# KiCad board rioctrl-controller.kicad_pcb
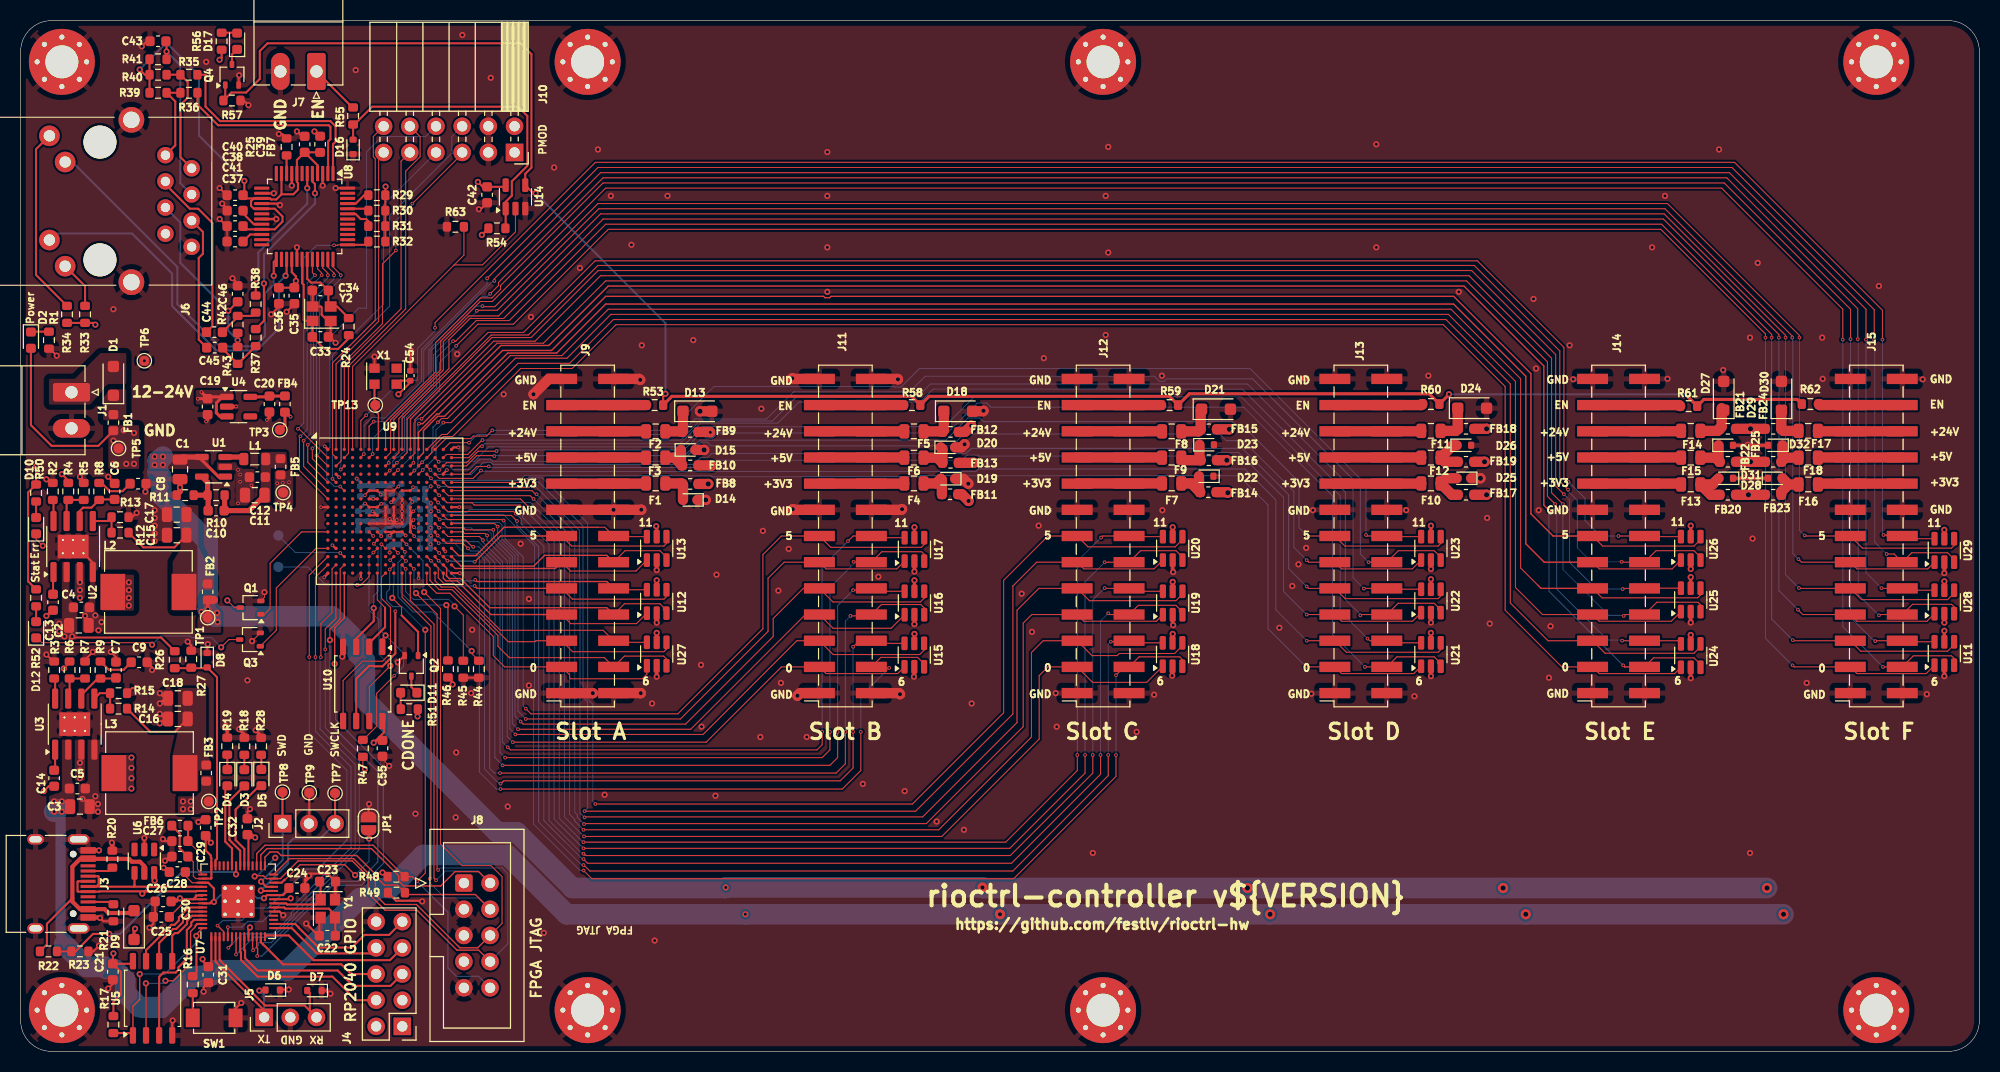
[diagram p0: board, top side]
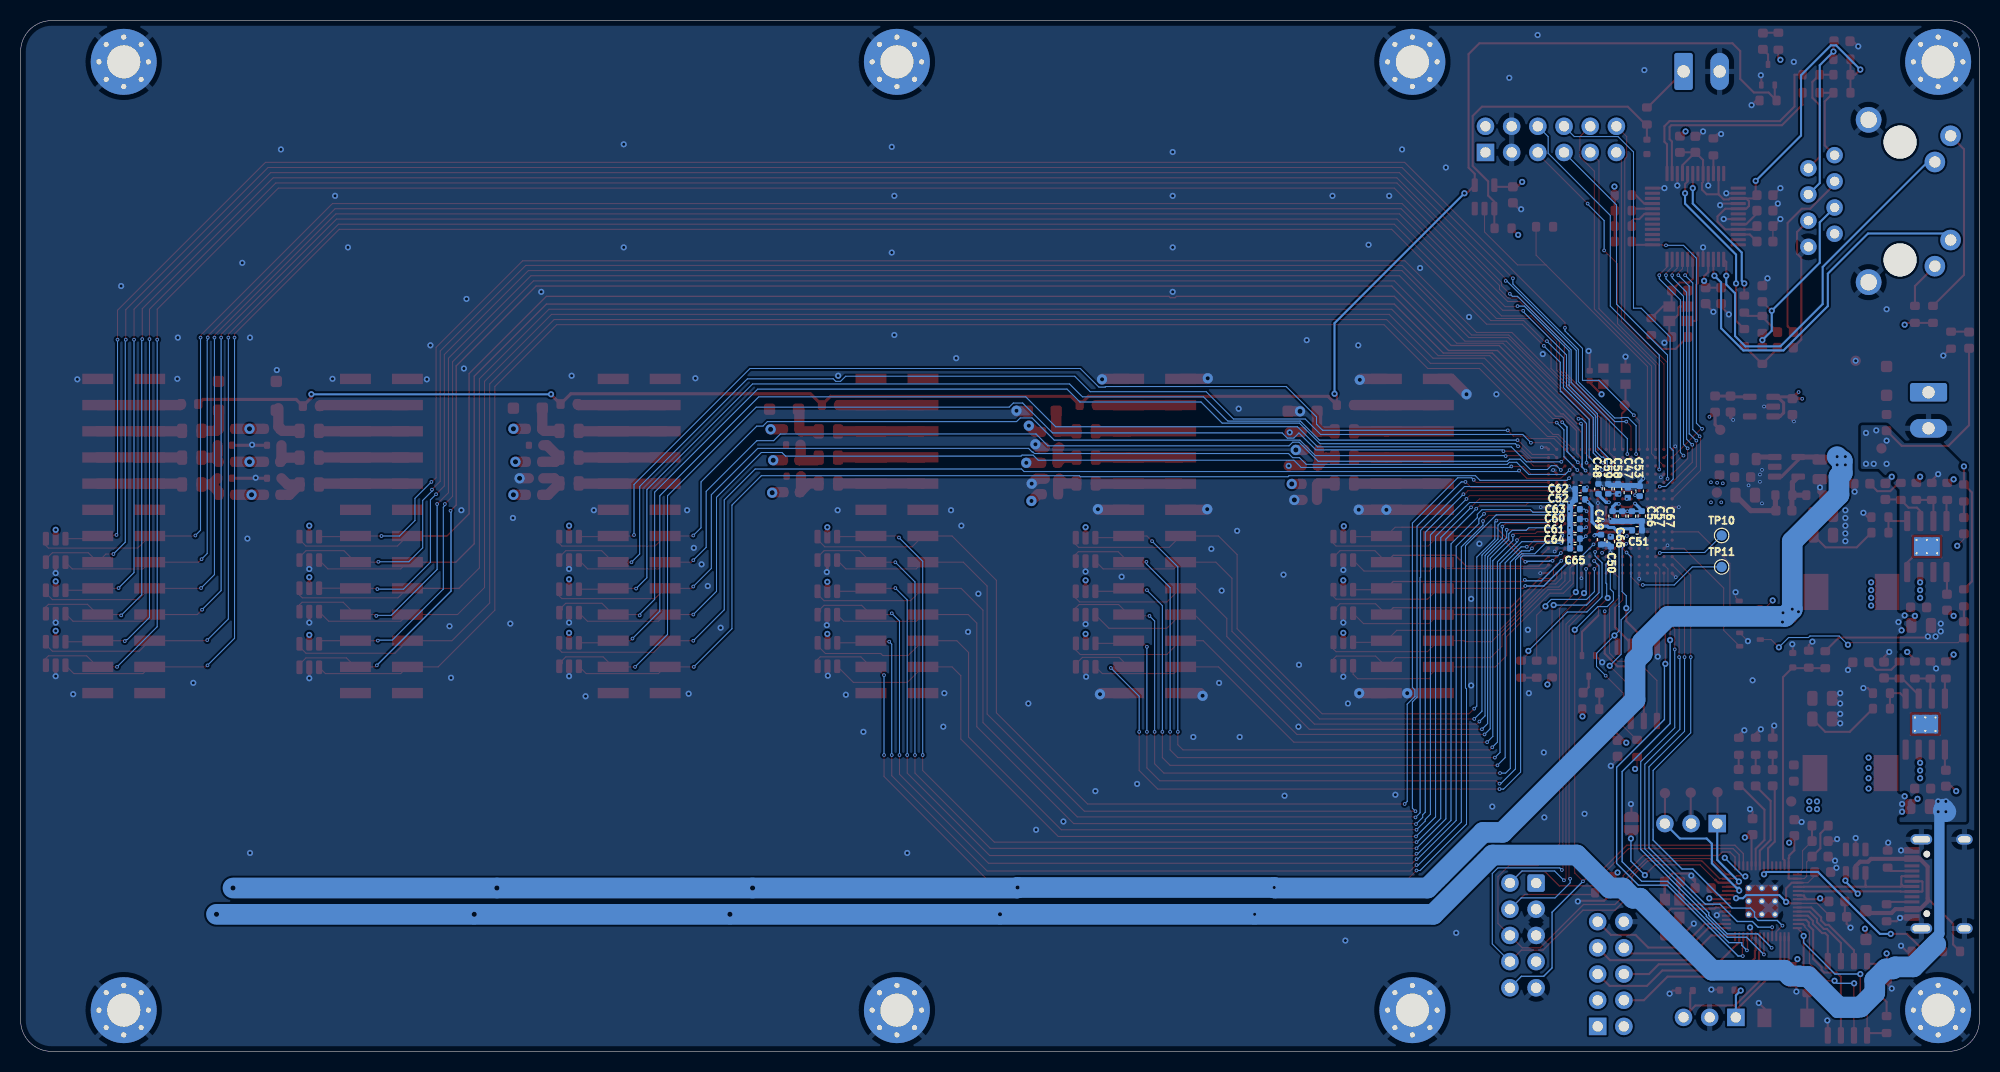
[diagram p1: board, bottom side, seen from below]

Outline 190 x 100 mm; copper layers: Top, In1.Cu, In2.Cu, Bottom. Coordinates in mm from the lower left corner of the outline.
Outline path: 0,97 arc(0.88,99.12) 3,100 187,100 arc(189.12,99.12) 190,97 190,3 arc(189.12,0.88) 187,0 3,0 arc(0.88,0.88) 0,3 0,97
Stack: Top 0.035mm / dielectric 0.1mm FR4 er 4.5 / In1.Cu 0.035mm / dielectric 1.24mm FR4 er 4.5 / In2.Cu 0.035mm / dielectric 0.1mm FR4 er 4.5 / Bottom 0.035mm

## Placement (name value [footprint] x y rotation side)
C1  10uF  [C_0805_2012Metric]  15.46 56.46 270 top
C2  10uF  [C_0805_2012Metric]  5.65 41.33 0 top
C3  10uF  [C_0805_2012Metric]  5.75 23.75 0 top
C4  0.1uF  [C_0603_1608Metric]  5.9 43.08 0 top
C5  0.1uF  [C_0603_1608Metric]  5.5 25.5 0 top
C6  120pF  [C_0603_1608Metric]  9.12 54.33 90 top
C7  120pF  [C_0603_1608Metric]  9.25 37 90 top
C8  0.012uF  [C_0603_1608Metric]  11.39 55.08 0 top
C9  0.012uF  [C_0603_1608Metric]  11.5 37.75 0 top
C10  DNP  [C_0603_1608Metric]  18.96 52.46 180 top  (not fitted)
C11  10uF/35V  [C_0805_2012Metric]  22.71 53.96 180 top
C12  0.1uF  [C_0603_1608Metric]  22.96 55.71 180 top
C13  0.1uF  [C_0603_1608Metric]  3.15 43.58 270 top
C14  0.1uF  [C_0603_1608Metric]  3.25 26.5 270 top
C15  47uF  [C_0805_2012Metric]  15.14 50.08 180 top
C16  47uF  [C_0805_2012Metric]  15.25 32.25 180 top
C17  47uF  [C_0805_2012Metric]  15.14 52.08 180 top
C18  47uF  [C_0805_2012Metric]  15.25 34.25 180 top
C19  1uF  [C_0603_1608Metric]  18.14 62.55 90 top
C20  1uF  [C_0603_1608Metric]  24.14 62.8 90 top
C21  0.1uF  [C_0603_1608Metric]  8.95 7.72 270 top
C22  10pF  [C_0603_1608Metric]  29.75 11.22 0 top
C23  10pF  [C_0603_1608Metric]  29.78 16.47 180 top
C24  0.1uF  [C_0603_1608Metric]  26.8 15.85 0 top
C25  0.1uF  [C_0603_1608Metric]  13.65 13.05 180 top
C26  1uF  [C_0603_1608Metric]  15.2 17.4 180 top
C27  0.1uF  [C_0603_1608Metric]  15.45 20.4 180 top
C28  0.1uF  [C_0603_1608Metric]  15.45 18.9 180 top
C29  0.1uF  [C_0603_1608Metric]  17.95 21.7 90 top
C30  0.1uF  [C_0603_1608Metric]  13.83 14.55 180 top
C31  0.1uF  [C_0603_1608Metric]  18.2 7.45 270 top
C32  0.1uF  [C_0603_1608Metric]  22 21.8 90 top
C33  18pF  [C_0603_1608Metric]  29.08 69.31 180 top
C34  18pF  [C_0603_1608Metric]  29.08 73.81 180 top
C35  10uF/6.3V  [C_0603_1608Metric]  26.55 73.31 270 top
C36  0.1uF  [C_0603_1608Metric]  25.05 73.31 270 top
C37  10nF  [C_0603_1608Metric]  20.8 78.56 180 top
C38  4.7uF  [C_0603_1608Metric]  20.8 81.56 180 top
C39  10uF/6.3V  [C_0603_1608Metric]  27.55 88 90 top
C40  0.1uF  [C_0603_1608Metric]  20.8 83.06 180 top
C41  0.1uF  [C_0603_1608Metric]  20.8 80.06 180 top
C42  0.1uF  [C_0603_1608Metric]  45.25 83.1 90 top
C43  22nF  [C_0603_1608Metric]  13.33 98 180 top
C44  6.8nF  [C_0603_1608Metric]  18.8 69.78 180 top
C45  6.8nF  [C_0603_1608Metric]  18.83 68.28 180 top
C46  10nF  [C_0603_1608Metric]  21.05 73.5 90 top
C47  0.1uF  [C_0402_1005Metric]  34.1 54.2 90 bottom
C48  0.1uF  [C_0402_1005Metric]  36.95 54.57 90 bottom
C49  0.1uF  [C_0402_1005Metric]  36.7 49.65 270 bottom
C50  0.1uF  [C_0402_1005Metric]  35.75 49.45 270 bottom
C51  0.1uF  [C_0402_1005Metric]  33.2 50.55 180 bottom
C52  0.1uF  [C_0402_1005Metric]  38.73 53.55 0 bottom
C53  0.1uF  [C_0402_1005Metric]  32.95 54.35 90 bottom
C54  0.1uF  [C_0402_1005Metric]  37.8 65.55 90 top
C55  0.1uF  [C_0603_1608Metric]  35.1 29.4 270 top
C56  0.1uF  [C_0402_1005Metric]  34.65 51.92 270 bottom
C57  0.1uF  [C_0402_1005Metric]  33.7 51.92 270 bottom
C58  0.1uF  [C_0402_1005Metric]  35.05 54.57 90 bottom
C59  0.1uF  [C_0402_1005Metric]  36 54.57 90 bottom
C60  0.1uF  [C_0402_1005Metric]  39.23 51.65 0 bottom
C61  0.1uF  [C_0402_1005Metric]  39.22 50.7 0 bottom
C62  0.1uF  [C_0402_1005Metric]  38.73 54.55 0 bottom
C63  0.1uF  [C_0402_1005Metric]  39.23 52.6 0 bottom
C64  0.1uF  [C_0402_1005Metric]  39.23 49.75 0 bottom
C65  0.1uF  [C_0402_1005Metric]  39.23 48.8 0 bottom
C66  0.1uF  [C_0402_1005Metric]  35.58 51.93 270 bottom
C67  0.1uF  [C_0402_1005Metric]  32.75 51.93 270 bottom
D1  DSS34  [D_SOD-123F]  9 65.05 90 top
D2  LED_RED  [LED_0603_1608Metric]  1 69 270 top
D3  LED_GREEN  [LED_0603_1608Metric]  21.7 26.54 270 top
D4  LED_RED  [LED_0603_1608Metric]  20.05 26.55 270 top
D5  LED_BLUE  [LED_0603_1608Metric]  23.35 26.56 270 top
D6  BSD5C031V  [D_SOD-523]  24.45 5.95 180 top
D7  BSD5C031V  [D_SOD-523]  28.5 5.9 180 top
D8  BSD5C031V  [D_SOD-523]  18.1 37.95 270 top
D9  DSS34  [D_SOD-123F]  11 12.25 90 top  (not fitted)
D10  LED_RED  [LED_0603_1608Metric]  1.5 51 90 top
D11  LED_GREEN  [LED_0603_1608Metric]  37.65 34.8 180 top
D12  LED_GREEN  [LED_0603_1608Metric]  1.5 40.9 90 top
D13  SMF24A  [D_SOD-123F]  65.65 62.1 0 top
D14  BSD5C031V  [D_SOD-523]  64.95 53.5 180 top
D15  PESD5V0S1BBN  [D_SOD-523]  64.75 58.35 0 top
D16  PESD5V0S1BBN  [D_SOD-523]  32.25 87.75 90 top
D17  LED_RED  [LED_0603_1608Metric]  21 98 90 top
D18  SMF24A  [D_SOD-123F]  90.95 62.1 0 top
D19  BSD5C031V  [D_SOD-523]  89.95 55.55 180 top
D20  PESD5V0S1BBN  [D_SOD-523]  89.95 58.6 0 top
D21  SMF24A  [D_SOD-123F]  115.95 62.3 0 top
D22  BSD5C031V  [D_SOD-523]  115 55.8 180 top
D23  PESD5V0S1BBN  [D_SOD-523]  115.05 58.85 0 top
D24  SMF24A  [D_SOD-123F]  140.8 62.4 0 top
D25  BSD5C031V  [D_SOD-523]  140 55.6 180 top
D26  PESD5V0S1BBN  [D_SOD-523]  140 58.8 0 top
D27  SMF24A  [D_SOD-123F]  165.2 63.6 90 top
D28  BSD5C031V  [D_SOD-523]  165.4 55.6 180 top
D29  PESD5V0S1BBN  [D_SOD-523]  165.4 58.8 0 top
D30  SMF24A  [D_SOD-123F]  170.8 63.6 90 top
D31  BSD5C031V  [D_SOD-523]  170.2 55.6 0 top
D32  PESD5V0S1BBN  [D_SOD-523]  170.2 58.8 180 top
F1  SMD0805B050TF  [Fuse_0805_2012Metric]  61.6 55.1 180 top
F2  SMD0805B050TF  [Fuse_0805_2012Metric]  61.6 60.15 180 top
F3  SMD0805B050TF  [Fuse_0805_2012Metric]  61.6 57.6 0 top
F4  SMD0805B050TF  [Fuse_0805_2012Metric]  86.65 55.1 180 top
F5  SMD0805B050TF  [Fuse_0805_2012Metric]  86.65 60.15 180 top
F6  SMD0805B050TF  [Fuse_0805_2012Metric]  86.65 57.6 0 top
F7  SMD0805B050TF  [Fuse_0805_2012Metric]  111.65 55.1 180 top
F8  SMD0805B050TF  [Fuse_0805_2012Metric]  111.65 60.15 180 top
F9  SMD0805B050TF  [Fuse_0805_2012Metric]  111.65 57.6 0 top
F10  SMD0805B050TF  [Fuse_0805_2012Metric]  136.8 55.1 180 top
F11  SMD0805B050TF  [Fuse_0805_2012Metric]  136.8 60.2 180 top
F12  SMD0805B050TF  [Fuse_0805_2012Metric]  136.8 57.6 0 top
F13  SMD0805B050TF  [Fuse_0805_2012Metric]  162 55 180 top
F14  SMD0805B050TF  [Fuse_0805_2012Metric]  162 60.2 180 top
F15  SMD0805B050TF  [Fuse_0805_2012Metric]  162 57.6 0 top
F16  SMD0805B050TF  [Fuse_0805_2012Metric]  173.4 55 0 top
F17  SMD0805B050TF  [Fuse_0805_2012Metric]  173.4 60.2 0 top
F18  SMD0805B050TF  [Fuse_0805_2012Metric]  173.4 57.6 180 top
FB1  FB_100R_3A  [L_0603_1608Metric]  9 61 270 top
FB2  FB_100R_3A  [L_0603_1608Metric]  18.14 44.58 270 top
FB3  FB_100R_3A  [L_0603_1608Metric]  18 27 270 top
FB4  FB_100R_3A  [L_0603_1608Metric]  25.64 62.8 270 top
FB5  FB_100R_3A  [L_0603_1608Metric]  25.21 56.71 270 top
FB6  FB_100R_3A  [L_0603_1608Metric]  15.45 21.9 0 top
FB7  FB_100R_3A  [L_0603_1608Metric]  29.05 88 270 top
FB8  FB_100R_3A  [L_0603_1608Metric]  64.95 55.05 180 top
FB9  FB_100R_3A  [L_0603_1608Metric]  64.95 60.1 180 top
FB10  FB_100R_3A  [L_0603_1608Metric]  64.95 56.85 0 top
FB11  FB_100R_3A  [L_0603_1608Metric]  90.15 54.05 180 top
FB12  FB_100R_3A  [L_0603_1608Metric]  90.2 60.1 180 top
FB13  FB_100R_3A  [L_0603_1608Metric]  90.2 57.1 0 top
FB14  FB_100R_3A  [L_0603_1608Metric]  115.2 54.25 180 top
FB15  FB_100R_3A  [L_0603_1608Metric]  115.25 60.35 180 top
FB16  FB_100R_3A  [L_0603_1608Metric]  115.25 57.35 0 top
FB17  FB_100R_3A  [L_0603_1608Metric]  140.2 54 180 top
FB18  FB_100R_3A  [L_0603_1608Metric]  140.2 60.4 180 top
FB19  FB_100R_3A  [L_0603_1608Metric]  140.2 57.2 0 top
FB20  FB_100R_3A  [L_0603_1608Metric]  165.6 54 180 top
FB21  FB_100R_3A  [L_0603_1608Metric]  165.6 60.4 180 top
FB22  FB_100R_3A  [L_0603_1608Metric]  165.6 57.2 0 top
FB23  FB_100R_3A  [L_0603_1608Metric]  170 54 0 top
FB24  FB_100R_3A  [L_0603_1608Metric]  170 60.4 0 top
FB25  FB_100R_3A  [L_0603_1608Metric]  170 57.2 180 top
H1  MH_3.2mm  [MountingHole_3.2mm_M3_Pad_Via]  4 4 90 top  (not fitted)
H2  MH_3.2mm  [MountingHole_3.2mm_M3_Pad_Via]  55 4 90 top  (not fitted)
H3  MH_3.2mm  [MountingHole_3.2mm_M3_Pad_Via]  4 96 90 top  (not fitted)
H4  MH_3.2mm  [MountingHole_3.2mm_M3_Pad_Via]  55 96 90 top  (not fitted)
H5  MH_3.2mm  [MountingHole_3.2mm_M3_Pad_Via]  180 4 90 top  (not fitted)
H6  MH_3.2mm  [MountingHole_3.2mm_M3_Pad_Via]  180 96 90 top  (not fitted)
H7  MH_3.2mm  [MountingHole_3.2mm_M3_Pad_Via]  105 4 90 top  (not fitted)
H8  MH_3.2mm  [MountingHole_3.2mm_M3_Pad_Via]  105 96 90 top  (not fitted)
J1  TERM-BLK-2H  [PhoenixContact_MC_1,5_2-G-3.5_1x02_P3.50mm_Horizontal]  4.93 63.94 270 top
J2  PIN_HEADER_3V  [PinHeader_1x03_P2.54mm_Vertical]  25.42 22.1 90 top
J3  TYPE-C-31-M-12  [USB_C_Receptacle_HRO_TYPE-C-31-M-12]  2.5 16.25 270 top
J4  Conn_02x05_Odd_Even  [PinHeader_2x05_P2.54mm_Vertical]  37.03 2.43 180 top  (not fitted)
J5  PIN_HEADER_3V  [PinHeader_1x03_P2.54mm_Vertical]  23.62 3.3 90 top
J6  RJ45_Pulse_J0011D21BNL  [RJ45_J0011D21BNL]  14.05 86.94 90 top
J7  TERM-BLK-2H  [PhoenixContact_MC_1,5_2-G-3.5_1x02_P3.50mm_Horizontal]  28.69 95.07 180 top
J8  Conn_02x05_PH  [IDC-Header_2x05_P2.54mm_Vertical]  43 16.33 0 top
J9  Conn_02x13_Odd_Even  [PinSocket_2x13_P2.54mm_Vertical_SMD]  55 50 180 top
J10  Conn_02x06_Odd_Even  [PinSocket_2x06_P2.54mm_Horizontal]  47.91 87.21 270 top
J11  Conn_02x13_Odd_Even  [PinSocket_2x13_P2.54mm_Vertical_SMD]  80 50 180 top
J12  Conn_02x13_Odd_Even  [PinSocket_2x13_P2.54mm_Vertical_SMD]  105 50 180 top
J13  Conn_02x13_Odd_Even  [PinSocket_2x13_P2.54mm_Vertical_SMD]  130 50 180 top
J14  Conn_02x13_Odd_Even  [PinSocket_2x13_P2.54mm_Vertical_SMD]  155 50 180 top
J15  Conn_02x13_Odd_Even  [PinSocket_2x13_P2.54mm_Vertical_SMD]  180 50 180 top
JP1  SolderJumper_2_Open  [SolderJumper-2_P1.3mm_Open_RoundedPad1.0x1.5mm]  33.75 22.1 270 top  (not fitted)
L1  MLP2012S4R7MT0S1  [L_0805_2012Metric]  22.71 57.46 0 top
L2  PSPMAA0805-220M-ANP  [SMD_INDUCTOR_8x8.5x5mm]  12.39 44.58 0 top
L3  PSPMAA0805-220M-ANP  [SMD_INDUCTOR_8x8.5x5mm]  12.5 27 0 top
Q1  BSS138W  [SOT-323_SC-70]  22.3 43.05 180 top
Q2  BSS138W  [SOT-323_SC-70]  37.9 37.4 270 top
Q3  BSS138W  [SOT-323_SC-70]  22.25 39.95 180 top
Q4  BSS138W  [SOT-323_SC-70]  20.5 94.75 90 top
R1  10K  [R_0603_1608Metric]  2.75 69 270 top
R2  47K  [R_0603_1608Metric]  3.12 54.33 90 top
R3  47K  [R_0603_1608Metric]  3.25 37 90 top
R4  220K  [R_0603_1608Metric]  4.62 54.33 270 top
R5  47K  [R_0603_1608Metric]  6.12 54.33 90 top
R6  220K  [R_0603_1608Metric]  4.75 37 270 top
R7  47K  [R_0603_1608Metric]  6.25 37 90 top
R8  3.47K  [R_0603_1608Metric]  7.62 54.33 90 top
R9  3.47K  [R_0603_1608Metric]  7.75 37 90 top
R10  47K  [R_0603_1608Metric]  18.96 53.96 180 top
R11  56.2K  [R_0603_1608Metric]  15.96 53.96 180 top
R12  100K  [R_0603_1608Metric]  9.64 50.33 180 top
R13  19.1K  [R_0603_1608Metric]  9.64 51.83 0 top
R14  100K  [R_0603_1608Metric]  9.5 33.25 180 top
R15  32K  [R_0603_1608Metric]  9.5 34.75 0 top
R16  1K  [R_0603_1608Metric]  16.7 6.47 270 top
R17  10K  [R_0603_1608Metric]  9 2.6 90 top
R18  1K  [R_0603_1608Metric]  21.7 29.6 90 top
R19  1K  [R_0603_1608Metric]  20.04 29.61 90 top
R20  5.11K  [R_0603_1608Metric]  8.9 18.65 270 top
R21  5.11K  [R_0603_1608Metric]  9 13.45 270 top
R22  5.11K  [R_0603_1608Metric]  2.7 9.7 180 top
R23  10K  [R_0603_1608Metric]  5.75 9.7 0 top
R24  1M  [R_0603_1608Metric]  31.83 70.31 90 top
R25  12.4K  [R_0603_1608Metric]  25.8 87.75 90 top
R26  100K  [R_0603_1608Metric]  14.95 38 90 top
R27  10K  [R_0603_1608Metric]  16.55 38.05 90 top
R28  1K  [R_0603_1608Metric]  23.33 29.6 90 top
R29  10K  [R_0603_1608Metric]  34.55 83.06 180 top
R30  10K  [R_0603_1608Metric]  34.55 81.56 180 top
R31  10K  [R_0603_1608Metric]  34.55 80.06 180 top
R32  10K  [R_0603_1608Metric]  34.55 78.56 180 top
R33  330R  [R_0603_1608Metric]  6.25 71.5 270 top
R34  330R  [R_0603_1608Metric]  4.5 71.5 270 top
R35  0R  [R_0603_1608Metric]  16.33 94.75 180 top
R36  0R  [R_0603_1608Metric]  16.33 93 180 top
R37  0R  [R_0603_1608Metric]  22.8 69.25 270 top
R38  0R  [R_0603_1608Metric]  22.8 72.5 270 top
R39  49.9R  [R_0603_1608Metric]  13.33 93 0 top
R40  49.9R  [R_0603_1608Metric]  13.33 94.75 0 top
R41  10R  [R_0603_1608Metric]  13.33 96.25 0 top
R42  49.9R  [R_0603_1608Metric]  21.05 70.53 270 top
R43  49.9R  [R_0603_1608Metric]  21.05 67.53 90 top
R44  10K  [R_0603_1608Metric]  44.45 37.08 270 top
R45  10K  [R_0603_1608Metric]  42.94 37.08 270 top
R46  10K  [R_0603_1608Metric]  41.45 37.1 90 top
R47  10K  [R_0603_1608Metric]  33.2 29.4 270 top
R48  10K  [R_0603_1608Metric]  36.42 16.95 0 top
R49  10K  [R_0603_1608Metric]  36.45 15.4 180 top
R50  330R  [R_0603_1608Metric]  1.5 54.17 270 top
R51  330R  [R_0603_1608Metric]  37.7 33.2 180 top
R52  330R  [R_0603_1608Metric]  1.5 44 270 top
R53  100R  [R_0603_1608Metric]  61.5 62.7 180 top
R54  10K  [R_0603_1608Metric]  46.2 79.85 0 top
R55  1K  [R_0603_1608Metric]  32.25 90.75 270 top
R56  330R  [R_0603_1608Metric]  19.5 98 90 top
R57  4K7  [R_0603_1608Metric]  20.5 92.25 180 top
R58  100R  [R_0603_1608Metric]  86.45 62.7 180 top
R59  100R  [R_0603_1608Metric]  111.45 62.7 180 top
R60  100R  [R_0603_1608Metric]  136.8 62.8 180 top
R61  100R  [R_0603_1608Metric]  161.8 62.6 180 top
R62  100R  [R_0603_1608Metric]  173.6 62.8 0 top
R63  4K7  [R_0603_1608Metric]  42.17 80 0 top
SW1  SW_PUSH_SMALL  [SW_SPST_AR02016]  18.78 3.25 180 top
TP1  TP_1MM  [TestPoint_Pad_D1.0mm]  18.14 42.08 90 top  (not fitted)
TP2  TP_1MM  [TestPoint_Pad_D1.0mm]  18.25 24.25 90 top  (not fitted)
TP3  TP_1MM  [TestPoint_Pad_D1.0mm]  25.14 60.3 0 top  (not fitted)
TP4  TP_1MM  [TestPoint_Pad_D1.0mm]  25.46 54.21 180 top  (not fitted)
TP5  TP_1MM  [TestPoint_Pad_D1.0mm]  9.5 58.5 90 top  (not fitted)
TP6  TP_1MM  [TestPoint_Pad_D1.0mm]  12 67 90 top  (not fitted)
TP7  TP_1MM  [TestPoint_Pad_D1.0mm]  30.5 25.05 270 top  (not fitted)
TP8  TP_1MM  [TestPoint_Pad_D1.0mm]  25.4 25.15 270 top  (not fitted)
TP9  TP_1MM  [TestPoint_Pad_D1.0mm]  28 25.1 270 top  (not fitted)
TP10  TP_1MM  [TestPoint_Pad_D1.0mm]  25 50.05 180 bottom  (not fitted)
TP11  TP_1MM  [TestPoint_Pad_D1.0mm]  25 47 180 bottom  (not fitted)
TP13  TP_1MM  [TestPoint_Pad_D1.0mm]  34.4 62.7 0 top  (not fitted)
U1  TD6811  [SOT-23-5]  18.71 56.71 180 top
U2  TPS54335ADDAR  [SOIC-8-1EP_3.9x4.9mm_P1.27mm_EP2.29x3mm_ThermalVias]  5.09 48.97 90 top
U3  TPS54335ADDAR  [SOIC-8-1EP_3.9x4.9mm_P1.27mm_EP2.29x3mm_ThermalVias]  5.25 31.75 90 top
U4  NCP114ASN250T1G  [SOT-23-5]  21.14 62.55 0 top
U5  W25Q16JVSS  [SOIC-8_5.23x5.23mm_P1.27mm]  12.8 5.15 90 top
U6  USBLC6-4SC6  [SOT-23-6]  12 18.45 270 top
U7  RP2040  [RP2040-QFN-56]  21.1 14.56 90 top
U8  W5500  [LQFP-48_7x7mm_P0.5mm]  27.55 81 270 top
U9  ECP5U_45_CABGA256  [BGA-256_14.0x14.0mm_Layout16x16_P0.8mm_Ball0.45mm_Pad0.32mm_NSMD]  35.8 52.4 0 top
U10  W25Q16JVSS  [SOIC-8_5.23x5.23mm_P1.27mm]  33.19 35.65 270 top
U11  SRV05-4  [SOT-23-6]  186.6 38.6 90 top
U12  SRV05-4  [SOT-23-6]  61.7 43.65 90 top
U13  SRV05-4  [SOT-23-6]  61.7 48.8 90 top
U14  SN74LVC1G125DBV  [SOT-23-5]  48 82.9 90 top
U15  SRV05-4  [SOT-23-6]  86.69 38.45 90 top
U16  SRV05-4  [SOT-23-6]  86.7 43.5 90 top
U17  SRV05-4  [SOT-23-6]  86.7 48.7 90 top
U18  SRV05-4  [SOT-23-6]  111.74 38.5 90 top
U19  SRV05-4  [SOT-23-6]  111.75 43.5 90 top
U20  SRV05-4  [SOT-23-6]  111.75 48.8 90 top
U21  SRV05-4  [SOT-23-6]  136.8 38.5 90 top
U22  SRV05-4  [SOT-23-6]  136.8 43.7 90 top
U23  SRV05-4  [SOT-23-6]  136.8 48.8 90 top
U24  SRV05-4  [SOT-23-6]  162 38.4 90 top
U25  SRV05-4  [SOT-23-6]  162 43.8 90 top
U26  SRV05-4  [SOT-23-6]  162 48.8 90 top
U27  SRV05-4  [SOT-23-6]  61.7 38.55 90 top
U28  SRV05-4  [SOT-23-6]  186.6 43.6 90 top
U29  SRV05-4  [SOT-23-6]  186.6 48.6 90 top
X1  OSC_25MHz  [Oscillator_SMD_EuroQuartz_XO32-4Pin_3.2x2.5mm]  35.4 65.5 270 top
Y1  Crystal_12MHz  [Crystal_SMD_2520-4Pin_2.5x2.0mm]  29.8 13.85 270 top
Y2  Crystal_25MHz  [Crystal_SMD_2520-4Pin_2.5x2.0mm]  29.2 71.56 0 top

## Library data of the parts
C1 C11 = -: Description: Unpolarized capacitor, small symbol; LCSC#: C440198; MPN: GRM21BR6YA106ME43L; Manufacturer: Murata; Note: 35V X5R +/-20%; ki_fp_filters: C_*
C2 C3 = -: Description: Unpolarized capacitor, small symbol; LCSC#: C440198; MPN: GRM21BR61H106KE43L; ki_fp_filters: C_*
C4 C5 C13 C14 C36 C40-C42 = -: Description: Unpolarized capacitor, small symbol; LCSC#: C14663; ki_fp_filters: C_*
C6 C7 = -: Description: Unpolarized capacitor, small symbol; LCSC#: C107035; ki_fp_filters: C_*
C8 C9 = -: Description: Unpolarized capacitor, small symbol; LCSC#: C282672; ki_fp_filters: C_*
C10 = -: Description: Unpolarized capacitor, small symbol; ki_fp_filters: C_*
C12 C21 C24 C25 C27-C32 C55 = -: Description: Unpolarized capacitor, small symbol; LCSC#: C14663; MPN: CC0603KRX7R9BB104; Manufacturer: Yageo; Note: 50V X7R +/-10%; ki_fp_filters: C_*
C15-C18 = -: Description: Unpolarized capacitor, small symbol; LCSC#: C6119904; MPN: GRM21BR61H106KE43L; ki_fp_filters: C_*
C19 C20 = -: Description: Unpolarized capacitor, small symbol; LCSC#: C5673; ki_fp_filters: C_*
C22 C23 = -: Description: Unpolarized capacitor, small symbol; LCSC#: C106245; MPN: CC0603JRNPO9BN100; Manufacturer: Yageo; ki_fp_filters: C_*
C26 = -: Description: Unpolarized capacitor, small symbol; LCSC#: C5673; MPN: CL10A105KA8NNNC; Manufacturer: Samsung; ki_fp_filters: C_*
C33 C34 = -: Description: Unpolarized capacitor, small symbol; LCSC#: C92671; ki_fp_filters: C_*
C35 C39 = -: Description: Unpolarized capacitor, small symbol; LCSC#: C85713; ki_fp_filters: C_*
C37 C46 = -: Description: Unpolarized capacitor, small symbol; LCSC#: C100042; ki_fp_filters: C_*
C38 = -: Description: Unpolarized capacitor, small symbol; LCSC#: C1705; ki_fp_filters: C_*
C43 = -: Description: Unpolarized capacitor, small symbol; LCSC#: C77571; ki_fp_filters: C_*
C44 C45 = -: Description: Unpolarized capacitor, small symbol; LCSC#: C1631; ki_fp_filters: C_*
C47-C54 C56-C67 = -: Description: Unpolarized capacitor, small symbol; LCSC#: C56392; ki_fp_filters: C_*
D1 D9 = -: Datasheet: https://datasheet.lcsc.com/lcsc/2004141809_BORN-DSS34_C511866.pdf; Description: 40V 3A RMS 550mV schottky diode; Manufacturer: BORN; LCSC#: C511866
D2 D4 D10 D17 = -: Description: LED red; MPN: SZYY0603R; Manufacturer: Yongyu Photoelectric; LCSC#: C434419; ki_fp_filters: LED_SMD:*
D3 D11 D12 = -: Description: LED green; MPN: SZYY0603YG; Manufacturer: Yongyu Photoelectric; LCSC#: C434423; ki_fp_filters: LED_SMD:*
D5 = -: Description: LED blue; MPN: XL-1608UBC-04; Manufacturer: XINGLIGHT; LCSC#: C965807; ki_fp_filters: LED_SMD:*
D6-D8 D14 D19 D22 D25 D28 D31 = -: Datasheet: https://datasheet.lcsc.com/lcsc/1912111437_BORN-BSD5C031V_C151984.pdf; Description: ESD protection diode, 3.3.0Vrwm, SOD-523, 15pF; Manufacturer: BORN; LCSC#: C151984
D13 D18 D21 D24 D27 D30 = -: Datasheet: https://datasheet.lcsc.com/lcsc/2304140030_Shandong-Jingdao-Microelectronics-SMF24A_C169430.pdf; Description: 200W unidirectional Transil Transient Voltage Suppressor, 24V; LCSC#: C169430; Manufacturer: Shandong Jingdao Microelectronics; ki_fp_filters: D*SMB*
D15 D16 D20 D23 D26 D29 D32 = -: Datasheet: https://datasheet.lcsc.com/lcsc/1912111437_BORN-PESD5V0S1BBN_C314264.pdf; Description: ESD protection diode, 5Vrwm, SOD-523, 10pF; Manufacturer: BORN; LCSC#: C314264
F1-F18 = -: Description: Resettable polyfuse PTC 6V 0.5A; Manufacturer: Yageo; LCSC#: C269104; Note: 0.5A hold, 1A trip
FB1-FB25 = -: Description: Ferrite bead, small symbol; MPN: UPZ1608E101-3R0TF; Manufacturer: Sunlord; LCSC#: C96995
H1-H8 = -: Description: Mounting Hole with pad for M3 bolt; ki_fp_filters: MountingHole*Pad*
J1 J7 = -: Description: Pluggable terminal block receptacle, horizontal, 3.5mm pitch; MPN: KF2EDGR-3.5-2P; Manufacturer: Cixi Kefa Elec; LCSC#: C441171
J2 J5 = -: Description: 2.54mm pin header vertical through-hole; MPN: C49257; Manufacturer: Boom Precision Elec; LCSC#: C49257; ki_fp_filters: Connector*:*_1x??_*
J3 = -: Datasheet: https://www.usb.org/sites/default/files/documents/usb_type-c.zip; Description: USB 2.0-only Type-C Receptacle connector TYPE-C-31-M-12; Manufacturer: Korean Hroparts; LCSC#: C165948; ki_fp_filters: USB*C*Receptacle*
J4 = -: Description: Generic connector, double row, 02x05, odd/even pin numbering scheme (row 1 odd numbers, row 2 even numbers), script generated (kicad-library-utils/schlib/autogen/connector/); ki_fp_filters: Connector*:*_2x??_*
J6 = -: Datasheet: https://eu.mouser.com/datasheet/2/447/J403-3072099.pdf; Description: LAN Transformer Jack, RJ45, 10/100 BaseT; MPN: J0011D21BNL; Manufacturer: Pulse; LCSC#: C455444; ki_fp_filters: RJ45*Pulse*JXD6?0001NL*
J8 = -: Description: Generic connector, double row, 02x05, odd/even pin numbering scheme (row 1 odd numbers, row 2 even numbers), script generated (kicad-library-utils/schlib/autogen/connector/); LCSC#: C5665; ki_fp_filters: Connector*:*_2x??_*
J9 J11-J15 = -: Description: Generic connector, double row, 02x13, odd/even pin numbering scheme (row 1 odd numbers, row 2 even numbers), script generated (kicad-library-utils/schlib/autogen/connector/); LCSC#: C3975158; ki_fp_filters: Connector*:*_2x??_*
J10 = -: Description: Generic connector, double row, 02x06, odd/even pin numbering scheme (row 1 odd numbers, row 2 even numbers), script generated (kicad-library-utils/schlib/autogen/connector/); LCSC#: C2897426; ki_fp_filters: Connector*:*_2x??_*
JP1 = -: Description: Solder Jumper, 2-pole, open; ki_fp_filters: SolderJumper*Open*
L1 = -: Description: 700mA 4.7uH ±20% 260mΩ 0805 Inductor; Manufacturer: TDK; LCSC#: C87543
L2 L3 = -: Description: ±20% 22uH 4A 7.5A 75mΩ SMD,8x8.5x5mm Power Inductor; Manufacturer: PROD Tech; LCSC#: C2962887
Q1-Q4 = -: Description: N-MOSFET transistor, gate/source/drain; Manufacturer: Jiangsu Changjing Electronics Technology Co., Ltd.; LCSC#: C504052
R1 R29-R32 R44-R46 R48 R49 R54 = -: Description: Resistor, small symbol; LCSC#: C98220; ki_fp_filters: R_*
R2 R3 R5 R7 = -: Description: Resistor, small symbol; LCSC#: C105579; ki_fp_filters: R_*
R4 R6 = -: Description: Resistor, small symbol; LCSC#: C123420; ki_fp_filters: R_*
R8 R9 = -: Description: Resistor, small symbol; LCSC#: C273778; ki_fp_filters: R_*
R10 = -: Description: Resistor, small symbol; LCSC#: C105579; Manufacturer: Yageo; Note: 1% 100mW; ki_fp_filters: R_*
R11 = -: Description: Resistor, small symbol; LCSC#: C98220; MPN: RC0603FR-0710KL; Manufacturer: Yageo; Note: 1% 100mW; ki_fp_filters: R_*
R12 R14 = -: Description: Resistor, small symbol; LCSC#: C112314; ki_fp_filters: R_*